# Altium PCB DSO.PcbDoc (part 1 of 2) (continued)
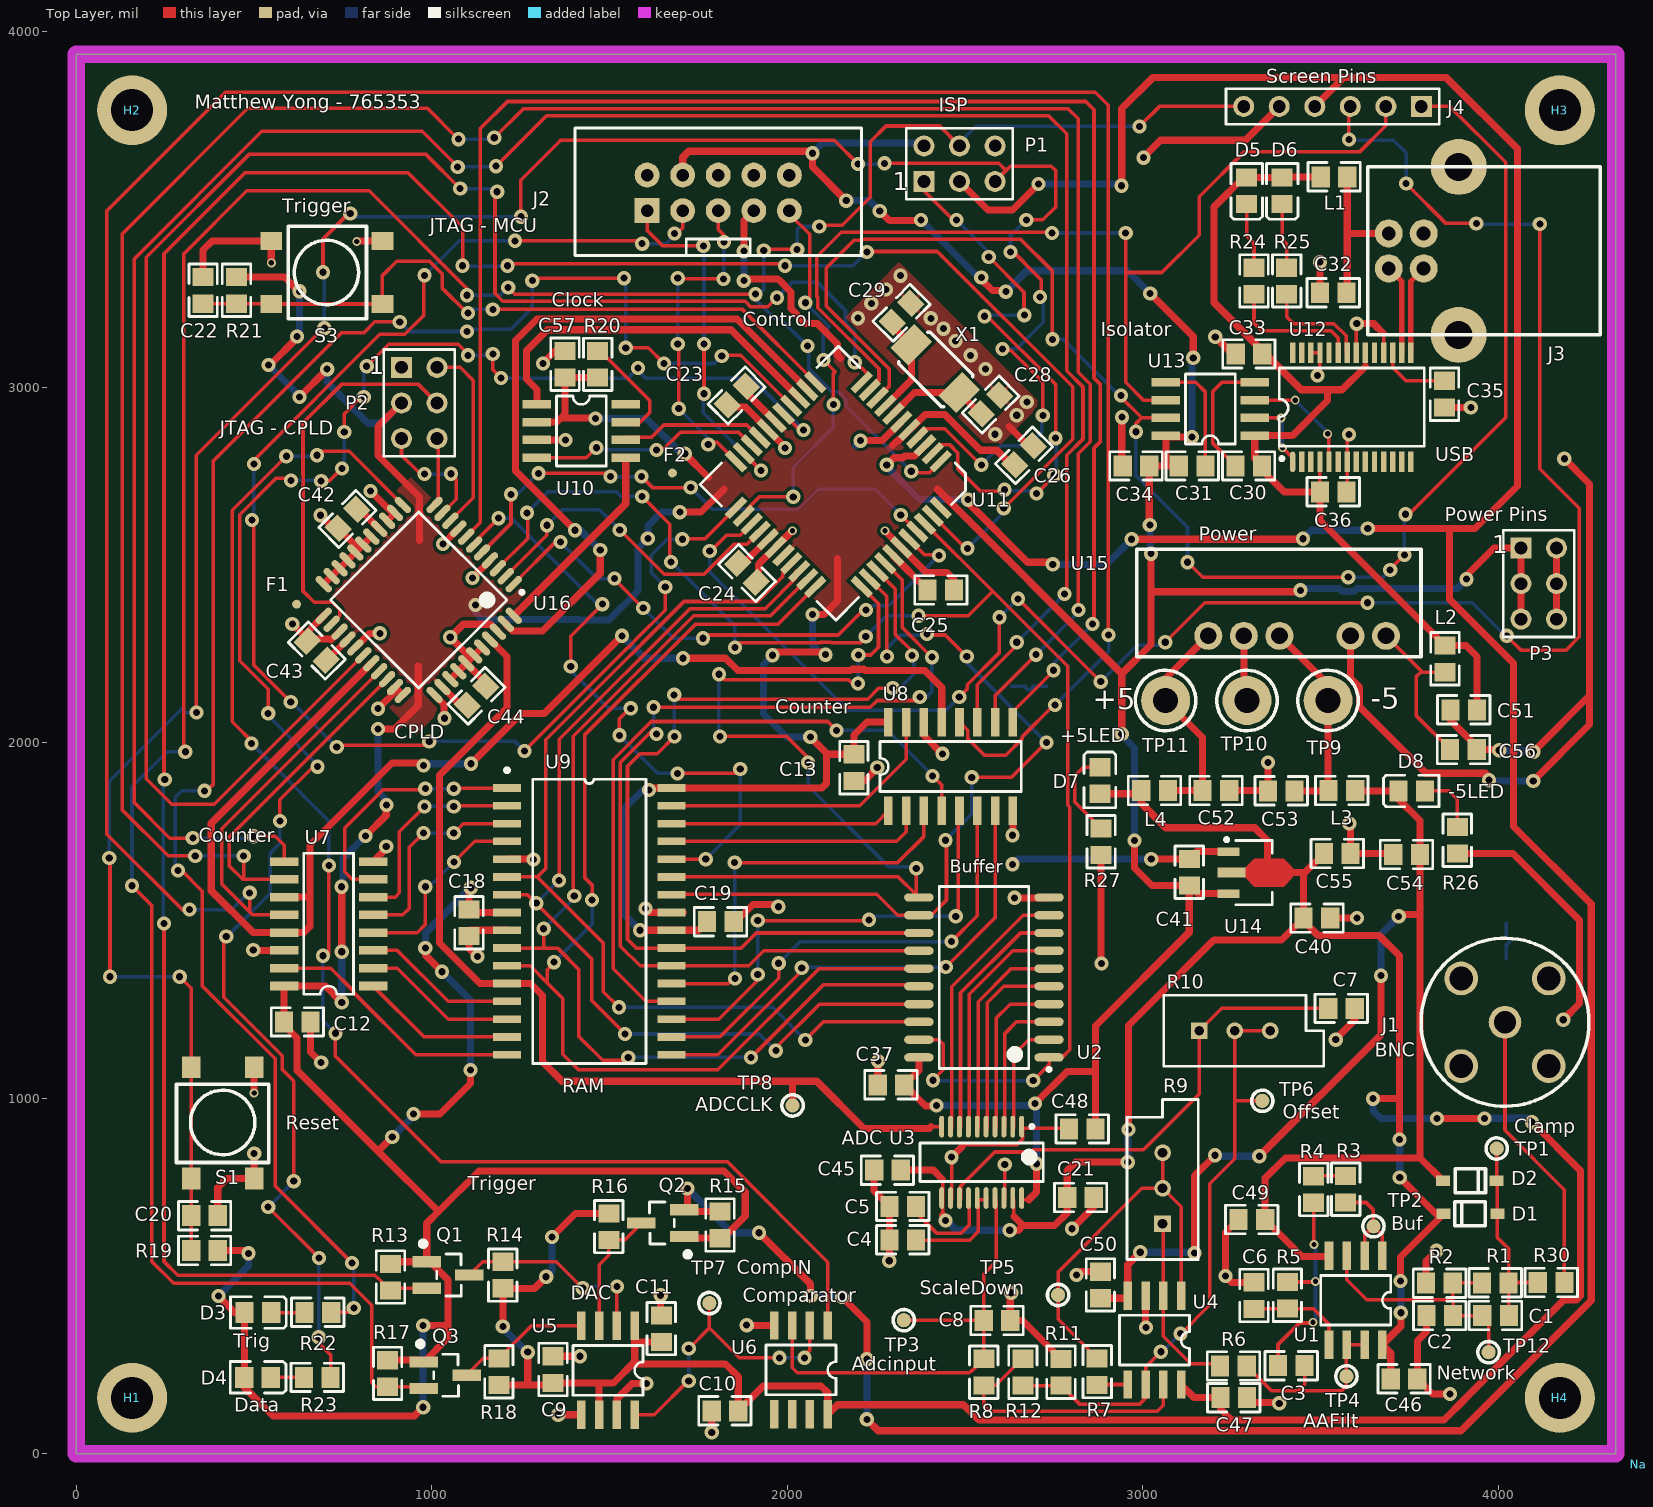
[diagram p0: Top Layer view]
## Components (designator, comment, footprint, x,y, rotation, side; value= is the part's Value field where it differs from the comment) (continued)
X1 "10Mhz" XTAL_FLAT_SMD 2416.3,3052.42 r135 top

## Footprints (in the part's own frame and the unit in brackets; to place one, negate y for a bottom-side part, rotate by r counter-clockwise, add the part's x,y. Pads: shape width x height; smd on the part's side, far side on the other; paste and mask are expansions set on the pad)
0805 [mm] "0805 Footprint"
  rect 1.3x1.5 smd: 1(-0.95,0) 2(0.95,0)
  silkscreen extent -1.87,-1.02 1.88,1.02, body extent -1,-0.63 1,0.62, height 0.5
0805C [mm] "0805 Footprint"
  rect 1.3x1.5 smd: 1(-0.95,0) 2(0.95,0)
  silkscreen extent -1.87,-1.02 1.88,1.02, body extent -1,-0.62 1,0.63, height 0.78
0805D-GREEN [mm] "0805 Diode"
  rect 1.3x1.5 smd: A(0.95,0) K(-0.95,0)
  silkscreen extent -2.03,-1.14 1.95,1.12, body extent -1.01,-0.62 1.01,0.63, height 1.1
0805D-RED [mm] "0805 Diode RED"
  rect 1.3x1.5 smd: A(0.95,0) K(-0.95,0)
  silkscreen extent -2.03,-1.14 1.95,1.12, body extent -1.05,-0.67 1.05,0.68, height 0.9
BNC_VERT [mil] "BNC vertical connector"
  round 92 hole 62: 1(0,0)
  round 95 hole 67: 2(-123.23,-123.23) 3(123.23,-123.23) 4(123.23,123.23) 5(-123.23,123.23)
  silkscreen extent -236,-236 236,236, body extent -217,-217 217,217, height 539
BOXEDVERT10 [mil] "IDC Header 2.54mm Boxed 10 pins"
  rect 70x70 hole 35.43: 1(0,0)
  round 70 hole 35.43: 2(0,100) 3(100,0) 4(100,100) 5(200,0) 6(200,100) 7(300,0) 8(300,100) 9(400,0) 10(400,100)
  silkscreen extent -203,-126 603,232, body extent -204,-129 604,237, height 359
Fiducial [mil]
  round 25 smd mask+25: ""(0,0)
HDR1X6 [mm] "Connector; Header; 6 Position"
  rect 1.5x1.5 hole 0.9: 1(0,0)
  round 1.5 hole 0.9: 2(2.54,0) 3(5.08,0) 4(7.62,0) 5(10.16,0) 6(12.7,0)
  silkscreen extent -1.27,-1.27 13.97,1.27
HDR3x2 [mm] "Connector; Header; 8x2 Position"
  rect 1.5x1.5 hole 0.9: 1(-2.54,-1.27)
  round 1.5 hole 0.9: 2(-2.54,1.27) 3(0,-1.27) 4(0,1.27) 5(2.54,-1.27) 6(2.54,1.27)
  silkscreen extent -3.81,-2.54 3.81,2.54, body extent -3.81,-2.54 3.81,2.54, height 9.5
NAME [mil]
NET_TIE [mm]
  rect 0.75x0.75 smd: 1(0,0) 2(2.54,0)
  Top Layer lines w0.254: 2.54,0 1.524,0 cw(c1.27,0) 1.016,0 0,0
"PIN 1.8mm" [mm] "Single Pin"
  round 3.5 hole 1.8: 1(0,0)
  silkscreen extent -2.16,-2.16 2.16,2.16
QFP-48 [mm]
  rect 1.8x0.5 smd: 1(-6.35,4) 2(-6.35,3.2) 3(-6.35,2.4) 4(-6.35,1.6) 5(-6.35,0.8) 6(-6.35,0) 7(-6.35,-0.8) 8(-6.35,-1.6) 9(-6.35,-2.4) 10(-6.35,-3.2) 11(-6.35,-4) 23(6.35,-4) 24(6.35,-3.2) 25(6.35,-2.4) 26(6.35,-1.6) 27(6.35,-0.8) 28(6.35,0) 29(6.35,0.8) 30(6.35,1.6) 31(6.35,2.4) 32(6.35,3.2) 33(6.35,4)
  rect 0.5x1.8 smd: 12(-4,-6.35) 13(-3.2,-6.35) 14(-2.4,-6.35) 15(-1.6,-6.35) 16(-0.8,-6.35) 17(0,-6.35) 18(0.8,-6.35) 19(1.6,-6.35) 20(2.4,-6.35) 21(3.2,-6.35) 22(4,-6.35) 34(4,6.35) 35(3.2,6.35) 36(2.4,6.35) 37(1.6,6.35) 38(0.8,6.35) 39(0,6.35) 40(-0.8,6.35) 41(-1.6,6.35) 42(-2.4,6.35) 43(-3.2,6.35) 44(-4,6.35)
  silkscreen extent -6.99,-6.99 6.99,6.73, body extent -5.97,-6 6.03,6, height 1.13
SCREW_HOLE#1 [mm]
  round 5 hole 3: 0(-12.319,-0.254)
SCREW_HOLE#2 [mm]
  round 5 hole 3: 0(0,0)
SIP_NMG [mm] "SIP for NMG DC to DC"
  round 2 hole 1.2: 1(0,0) 2(0,-2.54) 3(0,-7.62) 4(0,-10.16) 5(0,-12.7)
  silkscreen extent -6.2,-17.82 1.5,2.5, body extent -6.2,-17.8 1.5,2.5, height 10.2
SOD-123 [mm] "SMD diode"
  rect 1x0.75 smd: A(1.925,0) K(-1.925,0)
  silkscreen extent -1.12,-0.85 1.05,0.85, body extent -1.93,-0.86 1.92,0.84, height 1.42
SOIC-8 [mil] "SOIC-8 Footprint"
  rect 80x24 smd: 1(-125,75) 2(-125,25) 3(-125,-25) 4(-125,-75) 5(125,-75) 6(125,-25) 7(125,25) 8(125,75)
  silkscreen extent -70,-98 70,98, body extent -118,-98 118,98, height 69
SOIC-16 [mil] "SOIC-16 Footprint"
  rect 80x24 smd: 1(-125,175) 2(-125,125) 3(-125,75) 4(-125,25) 5(-125,-25) 6(-125,-75) 7(-125,-125) 8(-125,-175) 9(125,-175) 10(125,-125) 11(125,-75) 12(125,-25) 13(125,25) 14(125,75) 15(125,125) 16(125,175)
  silkscreen extent -70,-198 70,198, body extent -118,-197 118,197, height 69
SOT23 [mil] "SOT23, 3-Leads, Body 3.0x2.5mm (max), Pitch 0.95mm, IPC Low Density"
  rect 80.24x31.5 smd: 1(-60,37.4)
  rect 80x31.5 smd: 2(-60,-37.4) 3(60,0)
  silkscreen extent -75,-59 37,93, body extent -52,-59 52,59, height 43
SOT89 [mm] "SOT89, 3-Leads, Body 4.50x2.50mm, Pitch 1.50mm, Lead Span 4.1mm, IPC Low Density"
  rect 1.6x0.6 smd: 1(-1.9,1.5) 3(-1.9,-1.5)
  rect 2x0.7 smd: 2(-1.7,0)
  Top Layer region: -0.7,0.35 -0.05,1 2.05,1 2.7,0.35 2.7,-0.35 2.05,-1 -0.05,-1 -0.7,-0.35
  silkscreen extent -2.15,-2.3 1.22,2.47, body extent -2.2,-2.3 1.85,2.3, height 1.6
SOT163-1_N [mm] "SOIC, 20-Leads, Body 12.7x7.5mm, Pitch 1.27mm, IPC Medium Density"
  oval 2.1x0.6 smd: 1(-4.65,5.715) 2(-4.65,4.445) 3(-4.65,3.175) 4(-4.65,1.905) 5(-4.65,0.635) 6(-4.65,-0.635) 7(-4.65,-1.905) 8(-4.65,-3.175) 9(-4.65,-4.445) 10(-4.65,-5.715) 11(4.65,-5.715) 12(4.65,-4.445) 13(4.65,-3.175) 14(4.65,-1.905) 15(4.65,-0.635) 16(4.65,0.635) 17(4.65,1.905) 18(4.65,3.175) 19(4.65,4.445) 20(4.65,5.715)
  silkscreen extent -4.77,-6.5 3.2,6.69, body extent -5.15,-6.5 5.15,6.5, height 2.65
"SPST PB SWITCH SMD" [mm] "Push Button Switch Surface Mount"
  rect 1.55x1.3 smd: 1(-3.975,2.25) 1(3.975,2.25) 2(-3.975,-2.25) 2(3.975,-2.25)
  silkscreen extent -2.83,-3.3 2.76,3.3, body extent -4.5,-3 4.5,3, height 5
SSOP-28 [mm] "Line Driver"
  oval 1.45x0.38 smd: 1(-3.9,4.225)
  rect 1.45x0.38 smd: 2(-3.9,3.575) 3(-3.9,2.925) 4(-3.9,2.275) 5(-3.9,1.625) 6(-3.9,0.975) 7(-3.9,0.325) 8(-3.9,-0.325) 9(-3.9,-0.975) 10(-3.9,-1.625) 11(-3.9,-2.275) 12(-3.9,-2.925) 13(-3.9,-3.575) 14(-3.9,-4.225) 15(3.9,-4.225) 16(3.9,-3.575) 17(3.9,-2.925) 18(3.9,-2.275) 19(3.9,-1.625) 20(3.9,-0.975) 21(3.9,-0.325) 22(3.9,0.325) 23(3.9,0.975) 24(3.9,1.625) 25(3.9,2.275) 26(3.9,2.925) 27(3.9,3.575) 28(3.9,4.225)
  silkscreen extent -3.8,-5.18 2.79,5.18, body extent -3.9,-5.1 3.9,5.1, height 2
Testpoin [mil] "Testpoint"
  round 40 smd: 1(0,0)
  silkscreen extent -30,-30 30,30
TI-DBQ20_L [mm] "SOP, 20-Leads, Body 8.65x3.9mm, Pitch 0.635mm, IPC High Density"
  oval 1.55x0.35 smd: 1(-2.55,2.857) 2(-2.55,2.222) 3(-2.55,1.587) 4(-2.55,0.952) 5(-2.55,0.317) 6(-2.55,-0.318) 7(-2.55,-0.953) 8(-2.55,-1.588) 9(-2.55,-2.223) 10(-2.55,-2.858) 11(2.55,-2.857) 12(2.55,-2.222) 13(2.55,-1.587) 14(2.55,-0.952) 15(2.55,-0.317) 16(2.55,0.318) 17(2.55,0.953) 18(2.55,1.588) 19(2.55,2.223) 20(2.55,2.857)
  silkscreen extent -2.67,-4.4 1.38,4.4, body extent -3,-4.4 3,4.4, height 1.75
TSOP-32 [mm]
  rect 2x0.55 smd: 1(-5.88,9.525) 2(-5.88,8.255) 3(-5.88,6.985) 4(-5.88,5.715) 5(-5.88,4.445) 6(-5.88,3.175) 7(-5.88,1.905) 8(-5.88,0.635) 9(-5.88,-0.635) 10(-5.88,-1.905) 11(-5.88,-3.175) 12(-5.88,-4.445) 13(-5.88,-5.715) 14(-5.88,-6.985) 15(-5.88,-8.255) 16(-5.88,-9.525) 17(5.88,-9.525) 18(5.88,-8.255) 19(5.88,-6.985) 20(5.88,-5.715) 21(5.88,-4.445) 22(5.88,-3.175) 23(5.88,-1.905) 24(5.88,-0.635) 25(5.88,0.635) 26(5.88,1.905) 27(5.88,3.175) 28(5.88,4.445) 29(5.88,5.715) 30(5.88,6.985) 31(5.88,8.255) 32(5.88,9.525)
  silkscreen extent -6.03,-10.16 4.05,10.94, body extent -5.88,-10.55 5.88,10.55, height 1.2
USBPLUG [mm]
  round 2 hole 1: 1(4.75,1.5) 2(7.25,1.5) 3(7.25,4) 4(4.75,4)
  round 4 hole 2: ""(0,6.5) ""(12,6.5)
  silkscreen extent 0,0 12,16.6, body extent -1.52,0.29 13.45,16.79, height 11.06
VQ44_L [mm] "Thin QFP, 44-Leads, Body 10x10mm, Pitch 0.8mm, IPC High Density"
  oval 1.45x0.5 smd: 1(-5.6,4) 2(-5.6,3.2) 3(-5.6,2.4) 4(-5.6,1.6) 5(-5.6,0.8) 6(-5.6,0) 7(-5.6,-0.8) 8(-5.6,-1.6) 9(-5.6,-2.4) 10(-5.6,-3.2) 11(-5.6,-4) 23(5.6,-4) 24(5.6,-3.2) 25(5.6,-2.4) 26(5.6,-1.6) 27(5.6,-0.8) 28(5.6,0) 29(5.6,0.8) 30(5.6,1.6) 31(5.6,2.4) 32(5.6,3.2) 33(5.6,4)
  oval 0.5x1.45 smd: 12(-4,-5.6) 13(-3.2,-5.6) 14(-2.4,-5.6) 15(-1.6,-5.6) 16(-0.8,-5.6) 17(0,-5.6) 18(0.8,-5.6) 19(1.6,-5.6) 20(2.4,-5.6) 21(3.2,-5.6) 22(4,-5.6) 34(4,5.6) 35(3.2,5.6) 36(2.4,5.6) 37(1.6,5.6) 38(0.8,5.6) 39(0,5.6) 40(-0.8,5.6) 41(-1.6,5.6) 42(-2.4,5.6) 43(-3.2,5.6) 44(-4,5.6)
  silkscreen extent -5.72,-4.45 4.45,4.95, body extent -5.97,-6 6.03,6, height 1.13
VR5 [mm] "Thru-Hole; 3 Leads"
  rect 1.2x1.2 hole 0.7: 1(-2.54,0)
  round 1.2 hole 0.7: 2(0,0) 3(2.54,0)
  silkscreen extent -5.08,-2.54 6.35,2.54
XTAL_FLAT_SMD [mm]
  rect 1.8x2.4 smd: 1(-2.412,0) 2(2.412,0)
  silkscreen extent -2.33,-1.59 2.21,1.6, body extent -2.58,-1.68 2.58,1.68, height 1.35

## Part data
C1 C2 C3 C4 C5 C6 C7 C8 C9 C10 C11 C12 C13 C18 C19 C20 C21 C22 C23 C24 C25 C26 C28 C29 C30 C31 C32 C33 C34 C35 C36 C37 C40 C41 C42 C43 C44 C45 C46 C47 C48 C49 C50 C51 C52 C53 C54 C55 C56 C57: library part C, "Capacitor"
D1 D2: library part D
D3 D4 D5 D7: library part "LED GREEN", "Light Emitting Diode"
D6 D8: library part "LED RED", "Light Emitting Diode"
J1: library part BNC, "BNC Straight"
J2: library part JTAG_CON, "JTAG_CON"
J3: library part USBPLUG, "USB B Type Connector"
J4: library part "Header 6", "Header, 6-Pin"
L1 L2 L3 L4: library part I, "Inductor"
Name*: "Student Name and ID"
NT1 NT2: "Net Tie"
P1 P2 P3: "Header, 5-Pin"
Q1 Q2 Q3: library part MOSFET-N, "N-Channel MOSFET"
R1 R2 R3 R4 R5 R6 R7 R8 R11 R12 R13 R14 R15 R16 R17 R18 R19 R20 R21 R22 R23 R24 R25 R26 R27 R30: library part R, "Resistor"
R9 R10: "Potentiometer"
S1 S3: library part SW_PB_1P1T4, "Momentary Push Button Switch 1P 1T 2pins"
TP1 TP2 TP3 TP4 TP5 TP6 TP7 TP8 TP12: library part "Test Point", "Pad"
TP9 TP10 TP11: library part WIRE, "Pad"
U1 U4: "OpAmp High Frequency Dual"
U2: "(ADV) Octal Buffer, Line Driver"
U3: "8-Bit, 60 MSPS ADC Single-Ended / Differential Input, Internal / External Reference and Programmble Input Range, -40 to 85 degC, 20-pin SOP (DBQ20), Green (RoHS & no Sb/Br)"
U5: "DAC 8bit SPI"
U6: "Dual Comparator"
U7 U8: "8-Bit Binary Counter Register"
U9: "SRAM 128k x 8"
U10: "PLL Clock Multiplier"
U11: "ATMEGA16 Microcontroller"
U12: "USB to Serial bridge"
U13: "Dual Channel Digital Isolator Both Ways"
U14: library part MCP1700T, "Low Quiescent Current LDO, 3-Pin SOT-89, Extended Temperature, Tape and Reel"
U15: "(ADV) DC to DC converter 5V in +-5V out"
U16: library part XC9536XL-10VQG44C, "FastFLASH XC900XL, 3.3V High-Performance 36 Macrocell CPLD, 34 User I/Os, 44-Pin VQFP, Speed Grade 10, Commercial Grade"
X1: library part XTAL, "Crystal Oscillator"

## Via types
v1: diameter 40, hole 20, Top Layer to Bottom Layer, tented both sides, 415 vias
v2: diameter 25, hole 15, Top Layer to Bottom Layer, tented both sides, 12 vias

## Nets (pads, with @x,y where several pads share a name; then routed paths per layer and width w, separated by ;. In a path a pad name is that pad's centre, name@x,y a point inside that pad or via, vN(x,y) a via of type N, cw(c..) or ccw(c..) an arc to the next point about the centre after c; other vN are vias at no path point)
3V3: C35.1 U12.17 | length 203.1
  Top Layer w10: U12.17@3703.16,3097.54 3703.16,3055.84 3740.6,3018.4 C35.1@3849,3018.4
+5_OUTOFDC: C52.1 L4.1 TP11.1 U15.5 | length 625.4
  Top Layer w20: L4.1@3070.79,1866 C52.1@3168.39,1866 3168.39,2015 TP11.1@3064.39,2119 3064.39,2181 U15.5@3184.39,2301
+AVCC: C9.1 C10.1 C11.1 C21.1 C40.1 C45.1 C46.1 C47.1 C55.1 D1.K D7.A L4.2 R14.2 R16.2 R18.2 U1.8 U3.11 U3.19 U4.8 U5.1 U5.6 U6.8 U14.2 | length 10410.6
  Top Layer w10: v1@2437.5,671.5 U3.11@2437.5,714.61 ; 2637.5,668 U3.19@2637.5,714.61 ; U3.11@2437.5,714.61 2437,715.11 2437,772 2437.46,719.63 U3.11@2437.5,714.61
  Top Layer w20: R18.2@1189,193.6 1270,193.6 ; v1(1200,358) R14.2@1200,465.6 1289.6,465.6 v1(1322,498) ; v1@1268,286 v1(1270,286) 1270,193.6 ; C9.1@1335,193.6 1270,193.6 ; v1(1338,610) 1404.4,676.4 R16.2@1498.14,676.4 ; C9.1@1341,199.6 1471,199.6 ; U5.6@1471,110 1471,199.6 ; U5.1@1571,360 1571,259 1511.6,199.6 1471,199.6 ; 1571.4,314.6 C11.1@1646,314.6 ; 1577,253 1826,253 1862.4,216.6 C10.1@1862.4,121 1932.4,191 2095,191 2114,172 U6.8@2114,126 ; U6.8@2114,111 2141,138 2496,138 2539,95 3250,95 ; C45.1@2319.4,798 2411,798 2437,772 ; v1@2437.5,671.5 2448,661 2448,659 v1(2445,656) ; v1(2626,629) 2650.5,629 2663.5,642 ; 2637.5,668 2663.5,642 ; D7.A@2880,1856.6 L4.2@2986.58,1856.6 ; v1(2958,820.4) 2811.4,820.4 2787.6,796.6 C21.1@2787.6,721 2787.6,677.6 2752,642 2663.5,642 ; v1(2960,912) 2960,1205 3200,1445 3390.6,1445 C40.1@3452.6,1507 3452.6,1635 3355,1635 ; L4.2@2995.98,1866 2995.98,1829.8 3064.79,1761 3315,1761 3351,1725 3351,1639 ; U4.8@3108,195 3145,158 C47.1@3218.6,158 3218.6,126.4 3250,95 ; C40.1@3452.6,1498.4 3493.53,1457.47 3665.53,1457.47 3722,1401 3722,999 ; 3456,1635 C55.1@3509.6,1688.6 ; v1(3648,999) 3722,999 ; C46.1@3697.6,211 3697.6,283.4 U1.8@3674,307 3726,359 v1(3726,397) ; v1(3722,884) 3722,999 ; v1(3723,777) 3825,675 D1.K@3846.21,675 3725,553.79 v1(3725,486) ; v1(3828,943) v1(3961,943) ; v1(4095,933) 4231.59,796.41 4231.59,444.19 4219.87,432.47 4184.47,432.47 3904.6,152.6 3904.6,152.03 3847.57,95 3250,95
  Bottom Layer w20: v1(1200,358) 1200,354 1268,286 v1(1270,286) ; v1(1322,498) 1338,514 v1(1338,610) ; v1(2445,656) 2448.6,656 2475.6,629 v1(2626,629) ; v1(2958,820.4) 2958,910 v1(2960,912) ; v1(3648,999) 3648,965 3670,943 v1(3828,943) ; v1(3722,884) 3723,883 v1(3723,777) ; v1(3725,486) 3726,485 v1(3726,397) ; v1(3961,943) 3961,938 3955,944 4084,944 v1(4095,933)
-5_OUTOFDC: C53.1 L3.2 TP9.1 U15.3 | length 586.9
  Top Layer w20: U15.3@3384.39,2301 3521.39,2164 TP9.1@3521.39,2119 L3.2@3521.39,1865.6 ; C53.1@3427.19,1865 L3.2@3521.98,1865
-AVCC: C49.1 C50.1 C54.1 D2.A D8.K L3.1 U1.4 U4.4 | length 3756.5
  Top Layer w20: C50.1@2881,437.6 U4.4@2950.6,437.6 ; U4.4@2958,445 2958,532 v1(2993,567) ; v1(3146,565) 3146,782 3203,839 v1(3203,840) ; v1(3328,837) 3670,1179 v1(3670,1345) ; U1.4@3524,557 3522,555 3448.4,555 C49.1@3344.4,659 3344.4,775.4 3401.43,832.43 3779.79,832.43 ; L3.1@3598.79,1865 D8.K@3719.6,1865 3719.6,1841.4 3779.79,1781.21 C54.1@3779.79,1686 3779.79,1517 ; v1(3720,1512) 3725,1517 3779.79,1517 ; D2.A@3844.21,768 3779.79,832.43 ; 3779.79,832.43 3779.79,1517
  Bottom Layer w20: v1(2993,567) 3144,567 v1(3146,565) ; v1(3203,840) 3208,845 3216,837 v1(3328,837) ; v1(3670,1345) 3670,1462 v1(3720,1512)
AA_IN: R3.2 TP2.1 U1.1 U1.2 | length 319.4
  Top Layer w10: R3.2@3571,707 3628,707 3649,686 TP2.1@3649,640 ; U1.2@3624,557 3624,615 TP2.1@3649,640 ; U1.1@3674,557 3674,615 TP2.1@3649,640
AA_OUT: C3.1 R6.2 TP4.1 U1.6 U1.7 | length 559
  Top Layer w10: R6.2@3292.4,247 3362.4,177 3437,177 ; C3.1@3455.4,248 3455.4,195.4 3437,177 ; U1.6@3573,306 TP4.1@3573,218 3573,191 3559,177 3437,177 ; U1.6@3574,307 U1.7@3624,307
ADC_A0: U7.15 U9.16 | length 729.9
  Top Layer w10: U7.15@585,1366 716,1366 780,1302 780,1297.79 955.02,1122.77 U9.16@1211.72,1122.77
ADC_A1: U7.1 U9.15 | length 436
  Top Layer w10: U7.1@835,1316 978.23,1172.77 U9.15@1211.72,1172.77
ADC_A2: U7.2 U9.14 | length 436
  Top Layer w10: U7.2@835,1366 903,1366 1046.23,1222.77 U9.14@1211.72,1222.77
ADC_A3: U7.3 U9.13 | length 436
  Top Layer w10: U7.3@835,1416 903,1416 1046.23,1272.77 U9.13@1211.72,1272.77
ADC_A4: U7.4 U9.4 | length 631.2
  Top Layer w10: U7.4@835,1466 959,1466 982,1489 v1(982,1595) ; v1(1063,1665) 1120.77,1722.77 U9.4@1211.72,1722.77
  Bottom Layer w10: 982,1509 v1(982,1595) 993,1595 v1(1063,1665)
ADC_A5: U7.5 U9.3 | length 583.8
  Top Layer w10: U7.5@835,1516 919,1516 937,1534 937,1706 v1(977,1746) ; v1(1062,1746) 1088.77,1772.77 U9.3@1211.72,1772.77
  Bottom Layer w10: v1(977,1746) v1(1062,1746)
ADC_A6: U7.6 U9.2 | length 589.4
  Top Layer w10: U7.6@835,1566 897,1566 909,1578 909,1750 v1(980,1821) ; v1(1062,1821) 1061,1821 1059.23,1822.77 U9.2@1211.72,1822.77
  Bottom Layer w10: v1(980,1821) v1(1062,1821)
ADC_A7: U7.7 U9.1 | length 743.7
  Top Layer w10: U7.7@835,1616 776,1616 755,1637 755,1760.18 862.82,1868 985,1868 v1(982,1871) ; v1(1062,1871) 1052.54,1871 1050.77,1872.77 U9.1@1211.72,1872.77
  Bottom Layer w10: v1(982,1871) v1(1062,1871)
ADC_A8: U8.15 U9.31 | length 818.9
  Top Layer w10: U9.31@1674.71,1822.77 2203.77,1822.77 2334.63,1953.63 U8.15@2334.63,2058.39
ADC_A9: U8.1 U9.30 | length 624.7
  Top Layer w10: U9.30@1674.71,1772.77 2249.01,1772.77 U8.1@2284.63,1808.39
ADC_A10: U8.2 U9.29 | length 729.8
  Top Layer w10: U9.29@1674.71,1722.77 2307.77,1722.77 2334.63,1749.63 U8.2@2334.63,1808.39
ADC_A11: U8.3 U9.21 | length 1152.4
  Top Layer w10: U9.21@1674.71,1322.77 1833.77,1322.77 1853,1342 v1(1853,1337) ; v1(1852.23,1663.23) 2311.23,1663.23 2384.63,1736.63 U8.3@2384.63,1808.39
  Bottom Layer w10: v1(1852.23,1663.23) 1852.23,1337.77 v1(1853,1337)
ADC_A12: U8.4 U9.20 | length 1905.6
  Top Layer w10: U9.20@1674.71,1272.77 1602.23,1272.77 1510.77,1364.23 1510.77,1952.77 1618,2060 2114,2060 v1(2139,2035) ; v1(2409,1907) 2434.63,1881.37 U8.4@2434.63,1808.39
  Bottom Layer w10: v1(2139,2035) 2281,2035 v1(2409,1907)
ADC_A13: U8.5 U9.19 | length 1305.6
  Top Layer w10: U9.19@1674.71,1222.77 1807.77,1222.77 1916,1331 1916,1347 v1(1917,1348) ; v1(1917,1500) 2230,1500 v1(2230,1502.15) ; v1(2474,1512) 2480.93,1518.93 2480.93,1804.69 U8.5@2484.63,1808.39
  Bottom Layer w10: v1(1917,1348) v1(1917,1500) ; v1@2239.85,1512 v1(2474,1512)
ADC_A14: U8.6 U9.18 | length 1320.5
  Top Layer w10: U9.18@1674.71,1172.77 1810.77,1172.77 1976,1338 v1(1976,1380) ; v1(2462,1441) 2534.63,1513.63 U8.6@2534.63,1808.39
  Bottom Layer w10: v1(1976,1380) 2037,1441 v1(2462,1441)
ADC_A15: U8.7 U9.17 | length 1378.1
  Top Layer w10: U9.17@1674.71,1122.77 1804.77,1122.77 2045,1363 v1(2041,1367) ; v1(2446.17,1369.17) 2584.63,1507.63 U8.7@2584.63,1808.39
  Bottom Layer w10: v1(2041,1367) 2043.17,1369.17 v1(2446.17,1369.17)
ADC_CLK: TP8.1 U3.10 U9.12 U16.41 | length 2754.2
  Top Layer w10: 2404.39,920.39 U3.10@2434.5,920.39
  Top Layer w20: U16.41@1163.94,2290.52 1211.42,2243.03 1211.42,2098.42 1022,1909 1022,1437 1136.23,1322.77 U9.12@1211.72,1322.77 1278.23,1322.77 1312,1289 1312,1103 1367.04,1047.96 2083,1047.96 2215.56,915.39 2399.39,915.39 2404.39,920.39 ; TP8.1@2015,980 2015,1042.96
ADC_D0: U2.18 U9.6 U11.30 | length 2733.7
  Top Layer w10: U9.6@1211.72,1622.77 1297.23,1622.77 ; v1(1527,1256) 1483,1300 1483,1437 1297.23,1622.77 ; U11.30@2002.36,2492.43 1987.02,2477.1 1987.02,2467.72 1916.88,2397.58 1709.58,2397.58 1593,2281 1593,2280.22 1560.78,2248 1560,2248 1321,2009 1321,1646.54 1297.23,1622.77 ; v1(2051,1164) 2102,1215 U2.18@2370.43,1215
  Bottom Layer w10: v1(1527,1256) 1959,1256 v1(2051,1164)
ADC_D1: U2.17 U9.7 U11.31 | length 2868.4
  Top Layer w10: U9.7@1211.72,1572.77 1269.27,1572.77 1450,1392.04 1450,1275 v1(1544,1181) ; v1@1351,1598.6 v1@1351,1606 ; v1(1358,1613) v1@1351,1606 ; v1(1968,1134) 1964,1138 2091,1265 U2.17@2370.43,1265 ; U11.31@2034.04,2482.96 2024.63,2482.96 2024.63,2464.14 1938.06,2377.58 1726.58,2377.58 1359,2010 1359,1614 v1@1351,1606
  Bottom Layer w10: v1(1294,1549) v1(1358,1613) ; v1(1544,1181) 1921,1181 v1(1968,1134)
ADC_D2: U2.16 U9.10 U11.32 | length 2967.5
  Top Layer w10: U9.10@1211.72,1422.77 1353.73,1422.77 1414,1362.5 1414,1174 1481,1107 1551,1107 1553,1109 v1(1553,1115) ; 1315,1423 v1(1315,1477) ; v1(1401,1569) 1398,1572 1398,2018.33 1737.25,2357.58 1953.19,2357.58 U11.32@2056.31,2460.69 ; v1(1898,1115) 2103,1320 2365.43,1320 U2.16@2370.43,1315
  Bottom Layer w10: v1(1315,1477) 1401,1563 v1(1401,1569) ; v1(1553,1115) v1(1898,1115)
ADC_D3: U2.15 U9.11 U11.33 | length 3070.7
  Top Layer w10: U9.11@1211.72,1372.77 1277.23,1372.77 1324.5,1325.5 ; v1(1344,1383) 1344,1380 1324.5,1360.5 1324.5,1325.5 ; v1(1451,1558) 1451,1600 1430,1621 1430,2022.05 1740.95,2333 1973.16,2333 U11.33@2078.58,2438.42 ; U2.15@2370.43,1365 2090,1365 1805,1080 1412.96,1080 1369,1123.96 1369,1281 1324.5,1325.5
  Bottom Layer w10: v1@1346,1383 v1(1344,1383) 1451,1490 v1(1451,1558)
ADC_D4: U2.14 U9.22 U11.37 | length 2835.9
  Top Layer w10: v1(1624,2100) 2234,2100 2253,2119 2363,2119 v1(2373,2129) ; v1(1632.5,2025) 1632.5,2025.5 1622.14,2035.86 1530.77,1944.49 1530.77,1428.23 1586.23,1372.77 U9.22@1674.71,1372.77 1891.77,1372.77 1934,1415 U2.14@2370.43,1415 ; U11.37@2276.23,2505.23 2324.13,2457.34 2324.13,2323.87 v1(2407,2241)
  Bottom Layer w10: v1(1624,2100) 1624,2033.5 v1(1632.5,2025) ; v1(2373,2129) 2392,2129 2407,2144 v1(2407,2241)
ADC_D5: U2.13 U9.23 U11.36 | length 2686.7
  Top Layer w10: v1(1682,2135) 1682,2126 1679,2123 2226.19,2123 2257.19,2154 v1(2297,2154) v1@2294.97,2151.97 ; v1(1683,2018) 1634,1969 1586,1969 1550.77,1933.77 1550.77,1447.23 1575.23,1422.77 U9.23@1674.71,1422.77 1870.77,1422.77 1913,1465 U2.13@2370.43,1465 ; U11.36@2253.96,2482.96 2304.13,2432.8 2304.13,2304.87 2356,2253 2356,2251 v1(2351,2246)
  Bottom Layer w10: v1(1682,2135) 1682,2018 v1(1683,2018) ; v1(2297,2154) 2316.53,2154 2355.83,2193.3 2355.83,2250.83 v1(2351,2246)
ADC_D6: U2.12 U9.26 U11.35 | length 2300.8
  Top Layer w10: U9.26@1674.71,1572.77 1674.71,1574 2252,1574 2311,1515 U2.12@2370.43,1515 2405,1515 2448,1558 2448,1726 v1(2445,1726) ; U11.35@2231.69,2460.69 2280.41,2411.97 v1@2280.41,2260 ; v1@2279,2241.5 v1(2280.5,2243) ; v1(2393,2306) 2395.75,2303.25 2444.75,2303.25 v1(2505,2243) ; v1(2519,1903) 2631,1903 v1(2729,2001)
  Bottom Layer w10: v1(2280.5,2243) 2280.5,2266.33 2317.17,2303 2396,2303 v1(2393,2306) ; v1(2445,1726) 2519,1800 v1(2519,1903) ; v1(2505,2243) 2506,2242 2507.09,2242 2507.09,2222.91 v1(2729,2001)
ADC_D7: U2.11 U9.27 U11.34 | length 2462.9
  Top Layer w10: U9.27@1674.71,1622.77 2312.66,1622.77 2363,1572.43 v1(2363,1647) ; v1@1808,2178 v1(1808,2193) 1823,2178 2171.96,2178 2182.96,2167 v1(2199,2167) ; v1(1811,2018) 1998.63,2018 v1@2067,1949.63 ; v1(2200,2247) 2235,2247 2256.84,2268.84 2256.84,2391 U11.34@2209.42,2438.42
  Bottom Layer w10: v1(1808,2193) 1808,2021 v1(1811,2018) ; v1(2058.75,1945) 2058.75,1878.25 2285,1652 2358,1652 v1(2363,1647) ; v1@2200,2167 v1(2200,2247)
AGND: C2.2 C4.1 C5.1 C6.2 C7.1 C8.2 C9.2 C10.2 C11.2 C21.2 C45.2 C46.2 C47.2 C49.2 C50.2 J1.2 J1.3 J1.4 J1.5 NT1.2 R2.1 R11.2 R26.2 R27.2 U4.3 U5.5 U5.7 U6.4 | length 3196.2
  Top Layer w20: C9.2@1341,274.4 1416.95,274.4 v1(1417,274.45) ; v1(1356,110) U5.5@1421,110 ; U5.7@1521,110 1521,155.1 1563.9,198 v1(1604,198) ; v1(1644,446) 1644,391.4 C11.2@1646,389.4 ; v1(1787.6,60.4) C10.2@1787.6,121 ; v1@1887,361 U6.4@1964,361 ; C45.2@2244.6,798 2244.6,739 C5.1@2287.6,696 C4.1@2287.6,602 2287.6,543.6 v1(2287,543) ; v1(2630,453) 2627.4,450.4 C8.2@2627.4,375 2661.9,375 R11.2@2770,266.9 ; v1(2801,633) 2862.4,694.4 C21.2@2862.4,721 ; v1(2814,503) 2823.4,512.4 C50.2@2881,512.4 ; R27.2@2883,1684.6 2883,1391 2884,1390 v1(2884,1379) ; U4.3@3008,445 3008,356 v1(3009,355) ; C49.2@3269.6,659 3233,622.4 v1(3233,500) 3233,499 3249.6,482.4 C6.2@3313,482.4 ; C47.2@3293.4,158 3307.4,144 3383,144 3384,143 v1(3384,142) ; v1(3543,1165) 3543,1167 3596.4,1220.4 C7.1@3596.4,1253 ; R2.1@3797.2,480 3797.2,542.2 v1(3826,571) ; C2.2@3798.2,389 3798.2,343.2 3772.4,317.4 C46.2@3772.4,211 3815.4,168 3864,168 v1(3864.6,168.6) ; R26.2@3885,1688.6 4041.4,1688.6 4229,1501 4229,1267 v1(4183,1221)
  Bottom Layer w20: v1(3384,142) v1@3385,143
  other v1: 1886,362
CH1_NORM: C8.1 R8.1 TP3.1 U3.17 U6.3 | length 1365
  Top Layer w10: U6.3@2014,361 2014,242 2028,228 2512.07,228 2517.26,233.19 2518.79,233.19 R8.1@2553,267.4 ; TP3.1@2328,376 C8.1@2551.6,376 ; R8.1@2552.6,267.8 C8.1@2552.6,375 2552.6,505.6 2587.5,540.5 U3.17@2587.5,714.61
CLEAR_COUNT: U7.10 U8.10 U16.31 | length 7699.2
  Top Layer w10: v1(335,1682) 259,1682 129,1812 129,3431 483,3785 988,3785 v1(1075,3698) ; 471,1619 v1(471,1682) ; U7.10@585,1616 468,1616 430,1654 430,1734.75 U16.31@874.41,2179.16 ; v1(1176,3702) 1258,3784 2790,3784 2819,3755 2819,3042.07 2852,3009.07 2852,2846.43 2819,2813.43 v1(2819,2374) ; U8.10@2584.63,2058.39 2584.63,2132.63 v1(2700,2248)
  Bottom Layer w10: v1(335,1682) v1(471,1682) ; v1(1075,3698) 1172,3698 v1(1176,3702) ; v1(2700,2248) 2819,2367 v1(2819,2374)
COUNTER_CLK: U7.11 U7.13 U8.13 U16.29 | length 3642.2
  Top Layer w20: U7.11@585,1566 658,1566 ; U16.29@829.87,2223.71 380,1773.84 380,1584 498,1466 U7.13@585,1466 640,1466 658,1484 658,1713 888,1943 970.51,1943 v1(977,1936.51) ; v1(1110.72,1941) 1252.72,2083 1317,2083 v1(1535,2301) ; v1(1707,2238) 1826.43,2238 1861.43,2203 2178.43,2203 2182.43,2207 2215.57,2207 2219.57,2203 2387,2203 2434.63,2155.37 U8.13@2434.63,2058.39
  Bottom Layer w20: v1@981.49,1941 v1(1110.72,1941) ; v1(1535,2301) 1598,2238 v1(1707,2238)
CPLD_TCK: P2.6 U16.11 | length 193.1
  Top Layer w10: U16.11@1008.04,2669.13 1019,2680.09 1019,2852 P2.6@1015,2856
CPLD_TD0: P2.4 U16.24 | length 1090.4
  Top Layer w10: U16.24@718.51,2335.06 741.01,2357.56 741.01,2374.14 719.76,2395.4 669.6,2395.4 638,2427 638,2722.5 639,2723.5 639,2752.5 638,2753.5 638,2899.94 746.06,3008 963,3008 P2.4@1015,2956
CPLD_TDI: P2.2 U16.9 | length 538.4
  Top Layer w10: P2.2@1015,3056 1080,3056 1117,3019 1117,2689 U16.9@1052.58,2624.58
CPLD_TMS: P2.5 U16.10 | length 358.8
  Top Layer w10: P2.5@915,2856 915,2809 966,2758 989,2758 987,2756 v1(980,2756) ; U16.10@1030.31,2646.86 1069,2685.55 1069,2742 v1(1054,2757)
  Bottom Layer w10: v1(980,2756) 1053,2756 v1(1054,2757)
CS_SCREEN: J4.3 U11.25 | length 5257.9
  Top Layer w10: v1(1782.09,2539.59) 1784.59,2539.59 1829,2584 1867.82,2584 U11.25@1900.41,2616.59 ; v1(2484,2129) 2506.5,2151.5 2506.5,2163.5 2597,2254 v1(2597,2353) ; v1(2649,2405) v1(2882,2172) ; v1(3063.4,2283) 3174.4,2394 v1(3632,2394) ; v1(3580,3697) 3580,3786 J4.3@3584,3790 ; v1(3741,3573) 3853,3461 v1(3938.45,3461) ; v1(4024,2301) 4024,2300 4063,2261 4191,2261 4228,2298 4228,2660 4117,2771 v1(4117,3459)
  Bottom Layer w10: v1(1782.09,2539.59) 1782.09,2480.4 2171.5,2091 2446,2091 v1(2484,2129) ; v1(2597,2353) v1(2649,2405) ; v1(2882,2172) 2984.6,2274.6 3055,2274.6 v1(3063.4,2283) ; v1@3580,3695 3705.03,3695 3741,3659.03 v1(3741,3573) ; v1(3632,2394) 3927,2394 4020,2301 v1(4024,2301) ; v1(3938.45,3461) 3940.45,3459 v1(4117,3459)